# Altium PCB PCB2.PcbDoc (part 2 of 2)
Units mm, origin at the board's own origin, x right, y up, seen from the top; angles counter-clockwise.
Board outline 250.01 x 175.54 mm, 2 copper layers (Top Layer, Bottom Layer), stack 1.639 mm thick; 124 components, 51 nets, 283 pads, 38 vias.
Unrouted connection lines stored in the file: 9.
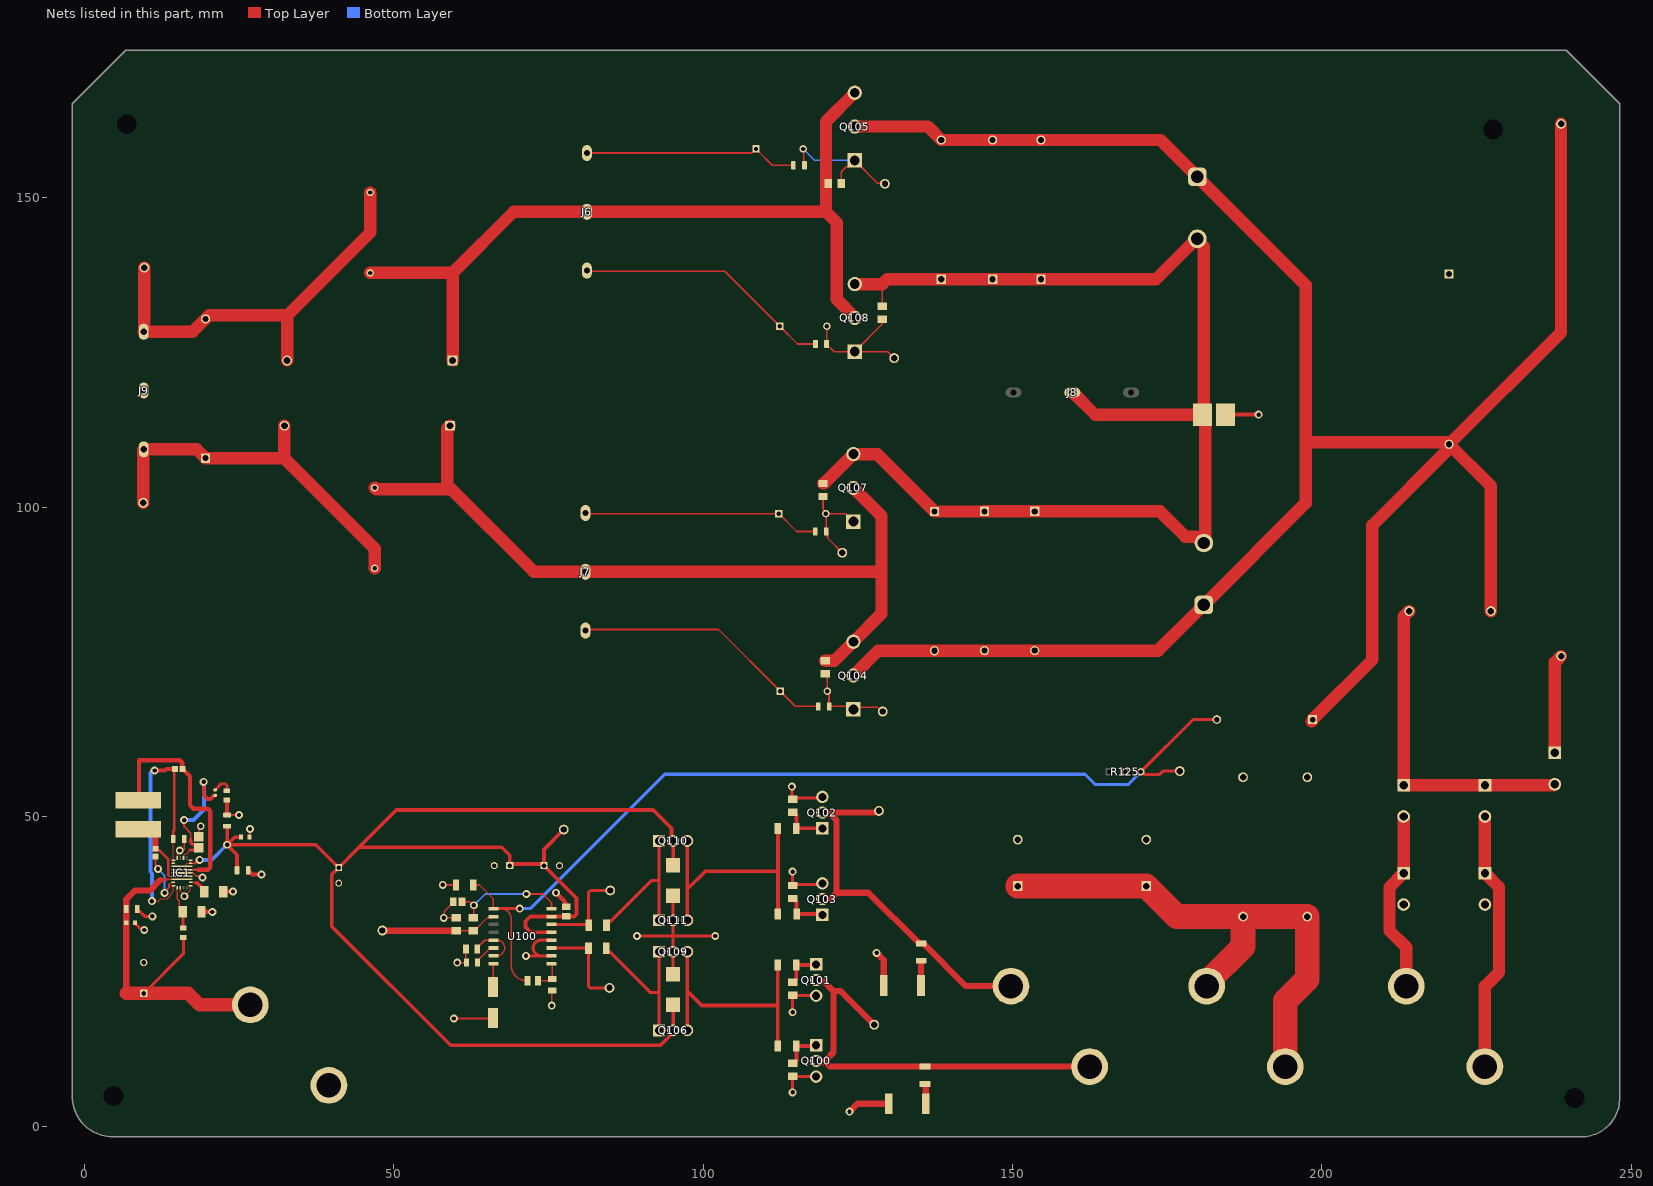
[diagram p2: the nets of this part, all layers, seen from the top]

## Part data (continued)
R100: library part SQP10AJB-1K2, "SQP10AJB-1K2", Manufacturer_Name="Yageo Group", Mouser Part Number=603-SQP10AJB-1K2, Datasheet Link=https://datasheet.datasheetarchive.com/originals/distributors/Datasheets_SAMA/93bf563c2b531d562506a92f6e9f509a.pdf, Height=10mm, Manufacturer_Part_Number=SQP10AJB-1K2, Mouser Price/Stock=https://www.mouser.co.uk/ProductDetail/YAGEO/SQP10AJB-1K2?qs=KUIzHt%2Fe91lQt12IWbZ47A%3D%3D
R101 R121: library part CMP-00030-42521983-1, "AC05000001200JAC00 Resistor, 120 Ohm, ± 5%, 5 W, Axial Leaded, Wirewound, General Purpose", Case/Package=Axial, Max Operating Temperature=275°C, Max Power Dissipation=5W, Min Operating Temperature=0°C, Resistance=120Ω, Temperature Coefficient=-80ppm/°C, Tolerance=5%, Voltage Rating=24V, Composition=Wirewound, Contact Plating=Tin, Diameter=7.5mm, Features="Flame Retardant Coating", Lead Diameter=800µm, Lead Free="Lead Free", Length=18mm, Military Standard=Not, NexarPartId=42521983, Number of Pins=2, Number of Terminations=2, Packaging="Tape & Box (TB)", Power Rating=5W, Radiation Hardening=No, REACH SVHC=Unknown, RoHS=Compliant, Schedule B="8533210080, 8533210080", Termination=Axial, Voltage Rating (DC)=24V, Width=7.49mm
R102 R103 R104 R105: library part CRCW120610R0FKEA, "CRCW120610R0FKEA", Manufacturer_Name=Vishay, Mouser Part Number=71-CRCW1206-10-E3, Arrow Part Number=CRCW120610R0FKEA, Arrow Price/Stock=https://www.arrow.com/en/products/crcw120610r0fkea/vishay?utm_currency=USD&region=nac, Datasheet Link=http://www.vishay.com/docs/20035/dcrcwe3.pdf, Height=0.6mm, Manufacturer_Part_Number=CRCW120610R0FKEA, Mouser Price/Stock=https://www.mouser.co.uk/ProductDetail/Vishay-Dale/CRCW120610R0FKEA?qs=ODaLBy2SlZEomzAFMQRuoA%3D%3D
R106 R107 R110 R111: library part CMP-2001-04908-2, "RES Thick Film, 10kΩ, 1%, 0.125W, 100ppm/°C, 0805, CRCW080510K0FKEA", Case Code (Imperial)=0805, Case Code (Metric)=2012, Max Operating Temperature=155°C, Min Operating Temperature=-55°C, Package Quantity=5000, Power Rating=125mW, Resistance=10kR, Temperature Coefficient=100ppm/°C, Tolerance=1%, Voltage Rating=150V, Case/Package=0805, Composition="Thick Film", Contact Plating=Tin, Depth=1.25mm, Height=0.45mm, Lead Free="Lead Free", Length=2mm, Military Standard=Not, Packaging="Tape and Reel", Radiation Hardening=No, Termination=SMD/SMT, Voltage Rating (DC)=150V, Weight=0.000194oz, Width=1.25mm
R108 R109: library part CRCW251210R0FKEG, "CRCW251210R0FKEG", Manufacturer_Name=Vishay, Mouser Part Number=71-CRCW2512-10-E3, Arrow Part Number=CRCW251210R0FKEG, Arrow Price/Stock=https://www.arrow.com/en/products/crcw251210r0fkeg/vishay?utm_currency=USD&region=nac, Datasheet Link=http://www.vishay.com/docs/20035/dcrcwe3.pdf, Height=0.7mm, Manufacturer_Part_Number=CRCW251210R0FKEG, Mouser Price/Stock=https://www.mouser.co.uk/ProductDetail/Vishay-Dale/CRCW251210R0FKEG?qs=VTHkDwr%2FZpkb635FFTvRPg%3D%3D
R112 R113 R117 R118: library part CMP-009-00102-2, "4.7 Ohm 0.125W 5% 0805 (2012 Metric)  SMD", Case/Package=0805, Power=125mW, Tolerance=5%, Mounting Technology=SMT, Pins=2
R114 R115 R119 R120: library part CMP-009-00018-5, "Chip Resistor, 10 KOhm, +/- 1%, 125 mW, -55 to 155 degC, 0805 (2012 Metric)", Case/Package=0805, Max Operating Temperature=155°C, Min Operating Temperature=-55°C, Power=125mW, Tolerance=1%, Voltage Rating=150V, Mounting Technology=SM, Pins=2, RoHS Compliant=True
R116: library part CRCW120612R0FKEAHP, "CRCW120612R0FKEAHP", Manufacturer_Name=Vishay, Mouser Part Number=71-CRCW120612R0FKEAH, Arrow Part Number=CRCW120612R0FKEAHP, Arrow Price/Stock=https://www.arrow.com/en/products/crcw120612r0fkeahp/vishay?region=nac, Datasheet Link=http://www.vishay.com/docs/20035/dcrcwe3.pdf, Height=0.65mm, Manufacturer_Part_Number=CRCW120612R0FKEAHP, Mouser Price/Stock=https://www.mouser.co.uk/ProductDetail/Vishay-Dale/CRCW120612R0FKEAHP?qs=40TFAHZMFvfoWh3r5QltXA%3D%3D
R122: library part CMP-08839-031888-1, "RES 0.1 OHM 1% 7W 2512", Case Code (Imperial)=2512, Case Code (Metric)=6432, Max Operating Temperature=170°C, Max Power Dissipation=3W, Min Operating Temperature=-55°C, Resistance=100mR, Resistor Type="Metal Element", Temperature Coefficient=20ppm/°C, Tolerance=1%, Case/Package=2512, Features="Automotive AEC-Q200", Number of Terminations=2, Packaging="Cut Tape"
R123: library part CMP-02408-000054-1, "RES 300k OHM 5% 1/2W AXIAL", Case/Package=Conformal, Max Operating Temperature=155°C, Min Operating Temperature=-55°C, Power Rating=500mW, Resistance=1.2MR, Resistance Tolerance=5%, Resistor Type="Metal Film", Temperature Coefficient=200ppm/°C, Voltage Rating=3.5kV, Construction=Cylindrical, Contact Plating=Tin, Diameter=4mm, Length=10mm, Military Standard=Not, Mount="Through Hole", Packaging="Ammo Pack", Radiation Hardening=No, Reach SVHC Compliant=Yes, Termination=Axial, Tolerance=5%, Voltage Rating (DC)=3.5kV
R124: "Resistor", Manufacturer_Name=Vishay, Mouser Part Number=71-CRCW120612R0FKEAH, Arrow Part Number=CRCW120612R0FKEAHP, Arrow Price/Stock=https://www.arrow.com/en/products/crcw120612r0fkeahp/vishay?region=nac, Datasheet Link=http://www.vishay.com/docs/20035/dcrcwe3.pdf, Height=0.65mm, Manufacturer_Part_Number=CRCW120612R0FKEAHP, Mouser Price/Stock=https://www.mouser.co.uk/ProductDetail/Vishay-Dale/CRCW120612R0FKEAHP?qs=40TFAHZMFvfoWh3r5QltXA%3D%3D
R125: library part CMP-1747-00001-8, "TRIMMER 10K OHM 0.5W PC PIN TOP", Color=Blue, Insulation Resistance=1GR, Max Operating Temperature=125°C, Max Power Dissipation=500mW, Min Operating Temperature=-55°C, Package Quantity=50, Resistance=10kR, Resistance Tolerance=10%, Resistor Type=Cermet, Temperature Coefficient=100ppm/°C, Contact Plating=Tin, Depth=4.83mm, Height=11.55mm, Lead Free="Lead Free", Length=9.53mm, Military Standard=Not, Mount="Through Hole", Number of Turns=25, Packaging=Rail/Tube, Power Rating=500mW, Radiation Hardening=No, Reach SVHC Compliant=Yes, RoHS Compliant=Yes, Series=3296, Taper=Linear, Technology=CERMET, Termination=Pin, Tolerance=10%, Weight=0.03oz, Width=9.53mm
R126 R128: library part CMP-2001-04106-2, "RES Thick Film, 75kΩ, 1%, 0.125W, 100ppm/°C, 0805 / CRCW080575K0FKEA / CRCW080575K0FKEA", Case Code (Imperial)=0805, Case Code (Metric)=2012, Max Operating Temperature=155°C, Max Power Dissipation=125mW, Min Operating Temperature=-55°C, Package Quantity=10, Resistance=75kR, Resistance Tolerance=1%, Resistor Type="Thick Film", Temperature Coefficient=100ppm/°C, Voltage Rating=150V, Case/Package=0805, Construction=Rectangular, Contact Plating=Tin, Depth=1.25mm, Features="Automotive AEC-Q200", Height=0.45mm, Lead Free="Lead Free", Length=2mm, Military Standard=Not, Mount="Surface Mount", Number of Pins=2, Number of Terminations=2, Packaging="Tape and Reel", Power Rating=125mW, Radiation Hardening=No, RoHS Compliant=Yes, Series=CRCW, Technology="THICK FILM", Termination=SMD/SMT, Tolerance=1%, Voltage Rating (DC)=150V, Weight=0.000194oz, Width=0.049inch, Working Voltage=150V
R127: library part CMP-2001-03869-2, "RES Thick Film, 3kΩ, 1%, 0.125W, 100ppm/°C, 0805 / CRCW08053K00FKEA", Case Code (Imperial)=0805, Case Code (Metric)=2012, Max Operating Temperature=155°C, Max Power Dissipation=125mW, Min Operating Temperature=-55°C, Package Quantity=10, Resistance=3kR, Temperature Coefficient=100ppm/°C, Tolerance=1%, Voltage Rating=150V, Case/Package=0805, Composition="Thick Film", Contact Plating=Tin, Depth=1.25mm, Features="Automotive AEC-Q200", Height=0.45mm, Lead Free="Lead Free", Length=2mm, Military Standard=Not, Number of Terminations=2, Packaging="Tape and Reel", Power Rating=125mW, Radiation Hardening=No, Termination=SMD/SMT, Voltage Rating (DC)=150V, Weight=0.000194oz, Width=1.25mm, Working Voltage=150V
U100: library part CMP-00278-00724779-1, "SG3525ADWR2G Voltage Mode PWM Controller 400mA 400kHz 16-Pin SOIC W T/R / IC REG CTRLR PUSH-PULL 16SOIC", Ambient Temperature Range High=70°C, Case/Package=SOIC, Frequency=400kHz, Manufacturer Lifecycle Status=ACTIVE, Max Junction Temperature (Tj)=150°C, Max Power Dissipation=1W, Max Supply Current=20mA, Max Supply Voltage=35V, Min Operating Temperature=0°C, Min Supply Voltage=8V, Output Current=100mA, Output Voltage=18V, Duty Cycle=49%, Fall Time=50ns, Halogen Free="Halogen Free", Height=2.4mm, Lead Free="Lead Free", Length=10.45mm, Lifecycle Status=Production, Max Duty Cycle=49%, Max Frequency=400kHz, Max Operating Temperature=70°C, Mount="Surface Mount", NexarPartId=724779, Nominal Input Voltage=8V, Number of Outputs=2, Number of Pins=16, Packaging=Digi-Reel®, Radiation Hardening=No, REACH SVHC="No SVHC", Rise Time=100ns, RoHS=Compliant, Schedule B="8542390000, 8542390000", Switching Frequency=400kHz, Topology=Push-Pull, Width=7.6mm

## Via types
v1: diameter 1.27, hole 0.711, Top Layer to Bottom Layer, 38 vias

## Nets (pads, with @x,y where several pads share a name; then routed paths per layer and width w, separated by ;. In a path a pad name is that pad's centre, name@x,y a point inside that pad or via, vN(x,y) a via of type N, cw(c..) or ccw(c..) an arc to the next point about the centre after c; other vN are vias at no path point)
1HO: D106.1 J6.1 R113.1 | length 35.1
  Top Layer w0.254: J6.1@81.229,157.251 107.893,157.251 D106.1@108.385,157.744 ; R113.1@114.594,155.27 111.195,155.27 D106.1@108.722,157.744 ; D106.1@108.385,157.744 D106.1@108.554,157.912 D106.1@108.722,157.744 ; D106.1@108.385,157.744 D106.1@108.722,157.744
1LO: D108.1 J6.3 R118.1 | length 41.9
  Top Layer w0.254: J6.3@81.229,138.251 81.355,138.125 103.524,138.125 D108.1@112.389,129.261 115.259,126.39 R118.1@118.175,126.39
2HO: D105.1 J7.3 R112.1 | length 42.8
  Top Layer w0.254: J7.3@81.001,80.263 102.487,80.263 ; 102.475,80.275 102.487,80.263 ; R112.1@118.607,67.843 114.907,67.843 D105.1@112.468,70.282 102.487,80.263
2LO: D107.1 J7.1 R117.1 | length 38.3
  Top Layer w0.254: J7.1@81.001,98.984 D107.1@112.214,98.984 115.11,96.088 R117.1@118.124,96.088
+12V_reg: C9.1 C10.2 C11.2 C12.2 C108.1 C109.1 C110.1 C115.1 C126.2 IC1.11 IC1.12 IC1.13 J102.1 Q106.2 Q110.2 U100.13 U100.15 | length 246.1
  Top Layer w0.2: IC1.11@15.805,41.97 16.462,41.97 16.487,41.995 16.487,42.353 16.605,42.47 IC1.12@17.205,42.47 ; IC1.13@17.18,42.97 17.205,42.945 IC1.12@17.205,42.47 ; 17.892,42.47 IC1.12@17.205,42.47
  Top Layer w0.4: 17.892,42.47 v1@18.452,43.03
  Top Layer w0.5: U100.15@75.513,33.877 U100.15@75.535,33.899
  Top Layer w0.6: C11.2@23.105,48.435 v1(23.105,45.48) ; C10.2@24.715,41.355 24.715,43.87 v1(23.105,45.48) ; C12.2@25.33,46.73 25.305,46.705 24.33,46.705 v1(23.105,45.48) ; C108.1@68.773,42.102 69.048,42.377 74.023,42.377 C110.1@74.298,42.102 ; C108.1@68.773,42.377 68.773,43.8 67.488,45.085 44.432,45.085 ; U100.13@75.513,31.337 72.138,31.337 71.298,32.176 71.298,33.102 72.073,33.877 U100.15@75.513,33.877 ; U100.15@75.535,33.899 79.201,33.899 79.553,34.25 79.553,36.847 C110.1@74.298,42.102 ; J102.1@77.495,47.93 74.298,44.732 C110.1@74.298,42.102 ; C109.1@95.17,19.648 Q106.2@95.17,15.494 95.17,15.137 94.394,14.361 94.394,14.305 94.069,13.98 94.013,13.98 93.114,13.081 59.233,13.081 40.023,32.291 40.023,40.676 C9.1@41.127,41.78 ; C115.1@95.17,42.164 Q110.2@95.17,46.101 94.917,46.354 94.917,48.136 91.973,51.079 50.426,51.079 44.432,45.085 ; v1(23.105,45.48) 37.426,45.48 C9.1@41.127,41.78 ; C9.1@41.127,41.78 44.432,45.085
  Bottom Layer w0.6: v1(18.655,43.03) 20.605,43.03 23.055,45.48 v1(23.105,45.48)
+400: C100.2 C105.2 C117.1 C118.1 C119.2 C120.2 C121.2 C122.2 C123.2 L100.2 Q104.2 Q105.2 R100.2 R123.1 | length 369.9
  Top Layer w2: Q104.2@124.29,72.818 128.29,76.818 C123.2@137.39,76.818 145.44,76.818 C120.2@145.465,76.843 C122.2@153.59,76.843 173.533,76.843 180.424,83.734 180.881,83.734 C117.1@181.153,84.006 ; Q105.2@124.519,161.525 136.327,161.525 C105.2@138.494,159.358 C119.2@146.794,159.358 C121.2@154.594,159.358 173.915,159.358 C118.1@179.883,153.391 197.358,135.915 197.358,110.537 ; C117.1@180.924,84.234 197.358,100.668 197.358,110.537 ; R123.1@198.374,65.456 R123.1@198.556,65.638 ; R123.1@198.484,65.71 208.153,75.379 208.153,97.104 220.548,109.499 C100.2@220.548,110.185 ; C100.2@220.9,110.537 197.358,110.537 ; L100.2@227.305,83.236 227.305,103.429 C100.2@220.548,110.185 ; R100.2@238.633,161.95 238.633,128.27 C100.2@220.548,110.185
Center_tap: C101.1 C102.1 C103.2 C104.2 J4.1 J4.2 | length 88.2
  Top Layer w4: C101.1@150.851,38.811 C102.1@171.628,38.811 176.555,33.884 C103.2@187.249,33.884 ; J4.1@181.381,22.631 181.381,23.156 187.249,29.024 C103.2@187.249,33.884 ; J4.2@194.081,9.631 194.081,20.242 197.637,23.798 C104.2@197.637,33.884 C103.2@187.249,33.884
Comp: C113.2 C114.1 U100.9 | length 5
  Top Layer w0.254: C113.2@73.328,23.501 75.373,23.501 C114.1@75.648,23.777 75.648,26.122 U100.9@75.513,26.257
CT: C111.1 U100.5 U100.7 | length 8.4
  Top Layer w0.254: C111.1@63.523,28.627 63.523,28.852 64.738,30.067 U100.5@66.133,30.067 66.733,30.067 cw(c66.733,28.851) 67.948,28.851 cw(c66.623,28.851) 66.623,27.527 U100.7@66.133,27.527
GATEA: Q106.3 Q109.3 R102.1 R103.1 | length 41.4
  Top Layer w0.5: R102.1@112.065,26.035 R102.1@112.077,26.023 ; R103.1@112.077,12.966 R103.1@112.089,12.954
  Top Layer w0.6: Q106.3@97.46,15.494 97.46,21.844 ; Q109.3@97.46,28.194 97.46,21.844 ; R103.1@112.077,12.966 112.077,19.494 ; R102.1@112.077,26.023 112.077,19.494 ; 97.46,21.844 99.809,19.494 112.077,19.494
GATEB: Q110.3 Q111.3 R104.1 R105.1 | length 42.5
  Top Layer w0.5: R104.1@112.089,48.133 R104.1@112.101,48.121 ; R105.1@112.101,34.302 R105.1@112.113,34.29
  Top Layer w0.6: Q111.3@97.46,33.274 97.46,38.291 ; Q110.3@97.46,46.101 97.46,38.291 ; R105.1@112.101,34.302 112.101,41.212 ; R104.1@112.101,48.121 112.101,41.212 ; 97.46,38.291 100.381,41.212 112.101,41.212
GND: C3.1 C5.1 C6.2 C7.1 C8.1 C9.2 C10.1 C11.1 C12.1 C100.1 C101.2 C102.2 C103.1 C104.1 C108.2 C109.2 C110.2 C111.2 C112.2 C114.2 C115.2 C116.1 C125.2 C126.1 D103.3 D104.3 IC1.2 IC1.5 IC1.9 IC1.17 IC1.22 IC1.23 J2.2 J9.2 Q100.3 Q101.3 Q102.3 Q103.3 Q109.2 Q111.2 R1.2 R3.1 R4.1 R106.1 R107.1 R108.1 R109.1 R110.1 R111.1 R122.1 R125.2 R126.1 R127.1 U100.10 U100.12 | length 138.8
  Top Layer w0.15: IC1.23@14.367,40.93 IC1.22@15.805,40.93 ; IC1.17@15.055,43.33 15.055,43.86 15.443,44.249 v1(15.443,44.552) ; IC1.2@15.555,38.53 15.555,38.024 16.205,37.374 v1(16.205,37.16) 17.18,38.135 IC1.5@17.18,38.89
  Top Layer w0.254: v1(15.443,44.552) 15.592,44.7 16.205,44.7 C5.1@16.205,45.88 ; IC1.22@15.805,40.93 IC1.9@17.243,40.93 17.245,40.928 17.557,40.928 17.589,40.896 17.662,40.896 18.182,40.377 18.932,40.377 v1(19.126,40.183) ; C3.1@18.505,46.78 18.505,47.842 18.85,48.187 v1(18.85,48.46) ; R1.2@18.955,34.63 18.968,34.617 v1(20.729,34.617) ; R3.1@23.055,52.705 23.08,52.68 23.105,52.655 C11.1@23.105,50.28 23.109,50.285 23.379,50.285 25.017,50.285 v1(25.022,50.289) ; C10.1@26.505,41.355 26.538,41.322 C10.1@26.538,41.055 ; C12.1@26.73,46.73 26.765,46.765 26.765,47.994 v1(26.8,48.029) ; v1@57.973,38.977 C116.1@60.073,38.977 ; v1(58.098,33.651) v1@58.1,33.653 ; C125.2@59.648,36.152 58.164,34.667 58.164,33.717 v1@58.1,33.653 ; v1(59.741,17.399) 65.995,17.399 C112.2@66.073,17.477 ; R126.1@60.148,33.653 v1@58.1,33.653 ; v1(60.298,26.427) R127.1@61.821,26.427 61.673,26.575 C111.2@61.673,28.627 ; v1(75.548,19.477) 75.548,21.827 C114.2@75.648,21.927
  Top Layer w0.5: C8.1@8.206,32.868 8.206,32.818 9.325,31.699 v1(9.703,31.699) ; C7.1@8.596,35.103 8.596,34.833 8.726,34.703 8.996,34.703 9.79,33.909 v1(11.024,33.909) ; v1(71.398,27.527) 73.848,27.527 ; U100.10@75.513,27.527 73.848,27.527 ; U100.12@75.513,30.067 73.788,30.067 ccw(c73.788,28.827) 72.548,28.827 ccw(c73.848,28.827) 73.848,27.527 ; v1(89.332,30.734) 95.17,30.734 ; C109.2@95.17,24.548 Q109.2@95.17,28.194 95.17,30.734 ; C115.2@95.17,37.264 Q111.2@95.17,33.274 95.17,30.734 ; v1(101.981,30.734) 95.17,30.734 ; v1(114.351,54.864) 114.351,52.994 R110.1@114.478,52.867 114.651,53.04 119.106,53.04 Q102.3@119.279,53.213 ; R111.1@114.414,38.96 R111.1@114.478,39.024 ; v1(114.478,5.461) R107.1@114.478,8.058 114.506,8.03 118.259,8.03 Q100.3@118.288,8.001 ; v1(114.478,18.415) R106.1@114.478,21.174 114.524,21.128 118.242,21.128 Q101.3@118.288,21.082 ; R111.1@114.478,38.897 R111.1@114.478,39.024 ; v1(114.478,41.148) R111.1@114.478,39.024 ; Q103.3@119.279,39.243 119.106,39.07 114.524,39.07 R111.1@114.478,39.024
  Top Layer w0.7: R1.2@18.955,34.63 v1@20.729,34.63 ; R4.1@22.48,37.905 22.488,37.914 24.045,37.914 v1(24.054,37.922) ; R3.1@23.08,52.68 23.08,50.305 C11.1@23.105,50.28 23.375,50.28 C11.1@23.379,50.285 ; C10.1@26.505,41.355 26.505,41.085 26.535,41.055 26.538,41.055 26.805,41.055 27.195,40.665 v1(28.651,40.665) ; v1(76.251,37.719) 77.444,36.525 cw(c76.34,35.421) C126.1@77.902,35.421 ; R122.1@184.429,114.96 184.455,114.986 v1(189.763,114.986)
  Top Layer w1: v1(123.673,2.362) 124.943,3.632 R108.1@129.992,3.632 ; v1(128.041,28.016) 129.204,26.853 R109.1@129.204,22.733
  other v1: 57.948,39.001
IFBOUT: C105.1 C117.2 C118.2 C119.1 C120.1 C121.1 C122.1 C123.1 J8.2 Q107.3 Q108.3 R119.1 R120.1 R122.2 | length 202.5
  Top Layer w0.254: R120.1@128.956,132.495 128.956,136.068
  Top Layer w2: R119.1@119.38,103.852 119.539,103.852 Q107.3@124.29,108.603 124.347,108.546 128.162,108.546 C123.1@137.39,99.318 145.44,99.318 C120.1@145.465,99.343 C122.1@153.59,99.343 173.84,99.343 177.933,95.25 179.638,95.25 C117.2@180.912,93.975 ; Q108.3@124.519,136.068 128.956,136.068 129.746,136.858 C105.1@138.494,136.858 C119.1@146.794,136.858 C121.1@154.594,136.858 173.194,136.858 C118.2@179.644,143.308 ; J8.2@159.964,118.367 163.371,114.96 R122.2@180.729,114.96 ; C118.2@179.883,143.391 179.883,143.12 180.928,142.074 R122.2@180.928,115.159 ; C117.2@180.924,94.234 181.116,94.425 181.116,95.132 181.127,95.144 R122.2@181.127,114.562
Inv: C113.1 C116.2 J106.1 R123.2 R125.3 U100.1 | length 157.5
  Top Layer w0.254: C116.2@62.873,38.977 63.873,38.977 66.133,36.717 U100.1@66.133,35.147 ; 67.353,35.147 cw(c67.353,33.502) 68.998,33.502 68.998,26.041 ccw(c71.538,26.041) 71.538,23.501 C113.1@71.668,23.501
  Top Layer w0.5: U100.1@66.133,35.147 66.136,35.15 70.38,35.15 v1(70.383,35.154) ; J106.1@177.038,57.379 174.297,57.379 173.771,56.853 171.327,56.853 170.928,57.252 R125.3@170.739,57.252 179.197,65.71 R123.2@183.024,65.71
  Bottom Layer w0.5: v1(70.383,35.154) 72.075,35.154 93.792,56.871 161.722,56.871 163.373,55.22 168.707,55.22 R125.3@170.739,57.252
Live: C124.2 J9.1 J109.1 L101.2 R101.2 | length 67.3
  Top Layer w2: J9.1@9.627,128.372 9.728,128.473 J109.1@9.728,138.735 ; J9.1@9.827,128.372 17.531,128.372 20.196,131.038 32.843,131.038 46.228,144.422 L101.2@46.228,150.874 ; R101.2@32.791,123.719 32.791,131.089
NetC1_1: C1.1 R3.2 | length 3.3
  Top Layer w0.45: C1.1@21.155,54.355 21.18,54.355 22.155,55.33 22.816,55.33 23.08,55.067 23.08,54.23 R3.2@23.055,54.205
NetC1_2: C1.2 C3.2 IC1.15 | length 22
  Top Layer w0.2: IC1.15@16.055,43.33 16.076,43.351 16.076,43.777 16.283,43.984 16.459,43.984 17.13,44.655
  Top Layer w0.3: v1(16.154,49.454) 16.154,48.438 17.226,47.367 17.226,46.28
  Top Layer w0.5: 17.13,44.655 18.18,44.655 C3.2@18.505,44.98 18.005,45.48 17.567,45.48 17.226,45.822 17.226,46.28
  Top Layer w0.6: v1(19.313,55.631) 19.313,53.497 19.931,52.879 20.428,52.879 21.005,53.455 C1.2@21.155,53.455
  Bottom Layer w0.6: v1(16.154,49.454) 16.163,49.463 17.689,49.463 19.38,51.153 19.38,55.565 v1(19.313,55.631)
NetC2_1: C2.1 C5.2 IC1.18 IC1.19 IC1.21 | length 45.6
  Top Layer w0.2: v1(10.955,36.38) 11.022,36.313 11.962,36.313 12.366,36.716 13.414,36.716 13.994,37.296 13.994,37.499 14.43,37.935 IC1.21@14.43,38.89 ; C5.2@14.401,46.431 14.401,42.995 14.426,42.97 IC1.18@14.43,42.97 14.405,42.945 IC1.19@14.405,42.47
  Top Layer w0.4: C5.2@14.401,46.431 14.415,46.445 14.415,47.728 14.535,47.848 14.535,57.61 C2.1@14.655,57.73
  Top Layer w0.6: v1(11.38,57.48) 13.047,57.48 13.28,57.713 14.637,57.713 C2.1@14.655,57.73
  Bottom Layer w0.6: v1(10.955,36.38) 10.955,40.874 10.73,41.099 10.73,57.104 11.081,57.455 11.355,57.455 v1(11.38,57.48)
NetC2_2: C2.2 IC1.10 L1.2 | length 38.6
  Top Layer w0.2: IC1.10@15.805,41.47 15.82,41.455 17.805,41.455 17.827,41.477 17.83,41.477
  Top Layer w0.4: 17.83,41.477 17.903,41.477 17.95,41.43 18.48,41.43
  Top Layer w0.7: L1.2@8.738,52.642 8.865,52.769 8.865,59.13 15.45,59.13 15.86,58.72 15.86,57.775 C2.2@15.905,57.73 17.105,56.53 17.105,51.88 17.68,51.305 19.97,51.305 20.38,50.895 20.38,41.84 19.97,41.43 18.48,41.43
NetC4_1: C4.1 IC1.20 | length 9
  Top Layer w0.2: 13.701,39.105 13.701,39.112 13.958,39.369 14.384,39.369 IC1.20@14.405,39.39
  Top Layer w0.3: C4.1@11.555,43.58 11.555,42.218 11.93,41.843 v1(11.93,41.58) ; v1(13.005,37.705) 13.005,37.848 13.701,38.544 13.701,39.105
  Bottom Layer w0.3: v1(11.93,41.58) 13.005,40.505 v1(13.005,37.705)
NetC4_2: C4.2 IC1.8 L1.1 | length 13.1
  Top Layer w0.2: 13.555,40.509 13.655,40.409 15.786,40.409 IC1.8@15.805,40.39
  Top Layer w0.4: C4.2@11.555,44.83 11.83,44.555 12.172,44.555 13.555,43.172 13.555,40.509
  Top Layer w1: L1.1@8.738,47.992 10.73,47.992 11.555,47.167 C4.2@11.555,44.83
NetC106_2: C106.2 R108.2 | length 3.3
  Top Layer w1: C106.2@135.865,6.831 135.967,6.831 135.992,6.806 R108.2@135.992,3.632
NetC107_2: C107.2 R109.2 | length 4
  Top Layer w0.5: C107.2@135.204,26.718 C107.2@135.23,26.743
  Top Layer w1: R109.2@135.204,22.733 C107.2@135.204,26.718
NetD100_1: D100.1 D101.1 D102.3 L100.1 | length 53
  Top Layer w2: L100.1@214.097,83.236 213.203,82.342 D101.1@213.203,55.118 D100.1@226.339,55.118 237.489,55.118 237.616,55.245 D102.3@237.629,55.245
NetD102_1: D102.1 R100.1 | length 16
  Top Layer w2: D102.1@237.629,60.325 237.629,74.947 R100.1@238.633,75.95
NetD105_2: D105.2 J107.1 Q104.1 R112.2 R114.2 | length 14.4
  Top Layer w0.254: R114.2@119.736,73.093 120.094,72.734 120.094,70.026 120.35,69.77 120.35,67.89 R112.2@120.397,67.843 123.805,67.843 Q104.1@124.29,67.358 ; Q104.1@124.333,67.358 124.64,67.666 128.233,67.666 128.69,67.208 J107.1@128.829,67.208
NetD106_2: D106.2 J108.1 Q105.1 R113.2 R115.2 | length 23.2
  Top Layer w0.254: D106.2@116.18,157.912 116.282,157.81 116.282,155.372 R113.2@116.384,155.27 ; R115.2@122.326,152.282 122.326,154.218 123.151,155.042 123.496,155.042 Q105.1@124.519,156.065 128.207,152.377 129.284,152.377 J108.1@129.388,152.273
  Bottom Layer w0.254: D106.2@116.18,157.912 118.077,156.014 ; 118.077,156.065 Q105.1@124.519,156.065
NetD107_2: D107.2 J110.1 Q107.1 R117.2 R119.2 | length 15.4
  Top Layer w0.254: R119.2@119.38,101.752 119.38,99.7 119.84,99.24 D107.2@119.84,98.984 ; J110.1@122.504,92.659 120.106,95.057 120.106,95.896 R117.2@119.914,96.088 119.877,96.125 119.877,98.947 D107.2@119.84,98.984 ; Q107.1@124.29,97.683 122.989,98.984 D107.2@119.84,98.984
NetD108_2: D108.2 J111.1 Q108.1 R118.2 R120.2 | length 21.8
  Top Layer w0.254: D108.2@120.015,129.261 119.99,129.236 119.99,126.415 R118.2@119.965,126.39 121.208,125.148 Q108.1@124.519,125.148 ; R120.2@128.956,130.395 128.934,130.373 128.934,129.563 Q108.1@124.519,125.148 ; J111.1@130.886,124.104 129.843,125.148 Q108.1@124.519,125.148
NetIC1_1: IC1.1 R1.1 R2.2 | length 6.9
  Top Layer w0.1: 15.055,37.705 IC1.1@15.055,38.53
  Top Layer w0.25: 15.055,37.705 15.055,36.718 15.355,36.418 15.355,35.18 R1.1@15.905,34.63
  Top Layer w0.5: R1.1@15.966,34.569 15.966,32.053 R2.2@16.027,31.992
NetIC1_6: IC1.6 R4.2 | length 3
  Top Layer w0.2: IC1.6@17.205,39.39 18.045,39.39 18.08,39.355
  Top Layer w0.6: 18.08,39.355 18.23,39.355 19.43,38.155 R4.2@19.43,37.905
NetQ100_1: Q100.1 R103.2 R107.2 | length 6.4
  Top Layer w0.6: R107.2@114.478,10.16 114.629,10.16 115.089,10.62 R103.2@115.089,12.954 118.161,12.954 Q100.1@118.288,13.081
NetQ101_1: Q101.1 R102.2 R106.2 | length 6.4
  Top Layer w0.6: R106.2@114.478,23.276 114.629,23.276 115.065,23.712 R102.2@115.065,26.035 118.161,26.035 Q101.1@118.288,26.162
NetQ102_1: Q102.1 R104.2 R110.2 | length 7.2
  Top Layer w0.6: R110.2@114.478,50.765 114.629,50.765 115.089,50.305 R104.2@115.089,48.133 Q102.1@119.279,48.133
NetQ103_1: Q103.1 R105.2 R111.2 | length 7.1
  Top Layer w0.6: R111.2@114.478,36.795 114.629,36.795 114.932,36.492 114.932,36.321 115.113,36.14 R105.2@115.113,34.29 119.152,34.29 Q103.1@119.279,34.163
NetQ106_1: Q106.1 Q109.1 R116.2 | length 24.4
  Top Layer w0.5: R116.2@84.376,28.765 84.376,28.415 84.676,28.115 85.026,28.115 91.551,21.59 92.88,21.59 ; Q106.1@92.88,15.494 92.88,21.59 ; Q109.1@92.88,28.194 92.88,21.59
NetQ110_1: Q110.1 Q111.1 R124.2 | length 24.5
  Top Layer w0.5: R124.2@84.426,32.465 84.426,32.815 84.726,33.115 85.076,33.115 91.648,39.688 92.88,39.688 ; Q111.1@92.88,33.274 92.88,39.688 ; Q110.1@92.88,46.101 92.88,39.688
Non_inv: J105.1 R126.2 R128.2 U100.2 | length 18.9
  Top Layer w0.254: R126.2@60.148,31.552 R128.2@62.873,31.552 63.024,31.552 65.186,33.714 65.97,33.714 U100.2@66.133,33.877
  Top Layer w1: J105.1@48.184,31.623 48.22,31.587 60.112,31.587 R126.2@60.148,31.552
Nuetral: C124.1 J9.3 J112.1 L102.2 R121.2 | length 60.6
  Top Layer w2: J112.1@9.55,100.736 9.55,109.295 J9.3@9.627,109.372 ; J9.3@9.827,109.371 18.187,109.371 19.66,107.899 32.106,107.899 ; R121.2@32.36,113.182 32.36,107.899 46.939,93.32 L102.2@46.939,90.147
PWMA: J103.1 R116.1 U100.11 | length 15.6
  Top Layer w0.5: U100.11@75.513,28.797 81.444,28.797 R116.1@81.476,28.765 81.476,22.645 81.769,22.352 J103.1@84.887,22.352
PWMB: J104.1 R124.1 U100.14 | length 15
  Top Layer w0.5: U100.14@75.513,32.607 81.384,32.607 R124.1@81.526,32.465 81.526,37.807 81.819,38.1 J104.1@85.014,38.1
RT: R127.2 U100.6 | length 3.8
  Top Layer w0.254: R127.2@63.523,26.427 63.799,26.703 63.799,26.983 65.613,28.797 U100.6@66.133,28.797
SS: C112.1 U100.8 | length 3.8
  Top Layer w0.254: C112.1@66.073,22.477 66.073,26.197 cw(c66.133,26.197) U100.8@66.133,26.257
Tr_pri_H: C106.1 J1.2 J100.1 Q100.2 Q101.2 | length 68.7
  Top Layer w0.6: Q101.2@118.288,23.622 Q101.2@118.523,23.387
  Top Layer w1: Q100.2@118.288,10.541 118.479,10.35 119.842,10.35 120.56,9.631 C106.1@135.865,9.631 J1.2@162.458,9.631 ; Q101.2@118.523,23.387 119.539,23.387 121.082,21.844 ; 119.73,10.586 121.082,11.938 121.082,21.844 ; J100.1@127.66,16.408 122.225,21.844 121.082,21.844
Tr_pri_L: C107.1 J1.1 J101.1 Q102.2 Q103.2 | length 60.6
  Top Layer w0.6: Q103.2@119.279,36.703 Q103.2@119.375,36.799
  Top Layer w1: Q102.2@119.279,50.673 127.981,50.673 128.26,50.952 J101.1@128.422,50.952 ; Q103.2@119.375,36.799 120.67,36.799 121.59,37.719 ; Q102.2@119.502,50.45 120.543,50.45 121.59,49.403 121.59,37.719 ; J1.1@149.758,22.631 142.466,22.631 135.555,29.543 C107.1@135.23,29.543 134.905,29.543 126.729,37.719 121.59,37.719
Tr_sec_H: D100.3 D104.1 J3.2 | length 42.3
  Top Layer w2: J3.2@226.339,9.631 226.339,22.588 228.618,24.867 228.618,38.615 D104.1@226.339,40.894 D100.3@226.339,50.038
Tr_sec_L: D101.3 D103.1 J3.1 | length 29.5
  Top Layer w2: D101.3@213.203,50.038 D103.1@213.203,40.894 210.924,38.615 210.924,31.586 213.639,28.87 J3.1@213.639,22.631
VBB: C6.1 C7.2 C8.2 IC1.7 J2.1 R2.1 | length 58.1
  Top Layer w0.1: 13.83,39.905 15.79,39.905 IC1.7@15.805,39.89
  Top Layer w0.3: 13.205,39.805 13.305,39.905 13.83,39.905
  Top Layer w0.5: C6.1@9.631,21.457 16.027,27.854 R2.1@16.027,30.492
  Top Layer w0.6: 12.33,39.805 13.205,39.805
  Top Layer w1: 6.806,21.457 C8.2@6.806,32.868 C7.2@6.806,35.103 6.806,36.682 8.205,38.08 10.605,38.08 12.33,39.805
  Top Layer w2.2: 6.806,21.457 C6.1@9.631,21.457 16.809,21.457 18.657,19.609 J2.1@26.848,19.609
Vref: C125.1 R128.1 U100.16 | length 19.1
  Top Layer w0.254: C125.1@61.048,36.277 62.321,36.277 62.896,35.702 v1(62.973,35.702) 62.973,33.753 R128.1@62.873,33.653 ; v1(71.448,37.527) 74.098,37.527 75.513,36.112 U100.16@75.513,35.147
  Bottom Layer w0.254: v1(62.973,35.702) 64.798,37.527 v1(71.448,37.527)
VS1: J6.2 L101.1 Q105.3 Q108.2 R101.1 R115.1 | length 132.1
  Top Layer w2: L101.1@46.228,137.874 59.538,137.874 ; R101.1@59.538,123.719 59.538,137.874 ; Q108.2@124.519,130.608 124.519,130.689 121.633,133.575 121.633,145.988 119.869,147.752 ; Q105.3@124.519,166.985 119.869,162.335 119.869,152.324 119.869,147.752 ; 59.538,137.874 69.416,147.752 J6.2@81.229,147.751 119.869,147.751
VS2: J7.2 L102.1 Q104.3 Q107.2 R114.1 R121.1 | length 132.2
  Top Layer w2: L102.1@46.939,103.147 47.191,102.895 59.357,102.895 72.667,89.585 128.83,89.585 ; 58.672,103.147 58.672,112.748 R121.1@59.106,113.182 ; R114.1@119.736,75.193 121.204,75.193 Q104.3@124.29,78.278 128.83,82.818 128.83,89.585 ; Q107.2@124.29,103.143 128.83,98.603 128.83,89.585
pads on no net: 1. 2. 3. 4. IC1.3 IC1.4 IC1.14 IC1.16 J8.1 J8.3 R125.1 U100.3 U100.4

## Polygon pours and split planes (outlines as drawn)
GND on Bottom Layer "GND_L02_P000" (solid, pour order 0): 242.837,164.401 235.851,171.475 15.113,171.475 1.499,157.861 1.499,0.584 98.73,0.584 113.97,0.584 242.951,0.584 242.951,164.287

## Other copper
Bottom Layer:
  pour cut-out: 223.368,166.091 222.987,165.71 222.987,156.058 231.14,156.058 232.029,155.169 232.486,155.626 232.486,166.395 232.41,166.472
  pour cut-out: 3.607,165.125 2.896,164.414 2.896,155.778 11.938,155.778 12.802,156.642 12.802,165.329 3.683,165.329 3.607,165.252

## Silkscreen, mask and mechanical layers (free items; w line width, h text height)
Top Overlay:
  drawing of 71 lines, arcs and shapes, not listed
  text "Heatsink" at 97.688,142.926 h2.5
  text "Live" at 5.08,140.614 h1.52 r270
  text "H-Bridge" at 98.552,115.545 h2.5
  text "Nuetral" at 3.607,102.692 h1.52 r270
  text "230V 50Hz" at 13.564,92.329 h2.5
  text "Tr_pri_L" at 145.183,1.117 h1
  text "Tr_pri_H" at 158.848,1.092 h1
  text "Tr_sec_H" at 222.958,1.078 h1
  text "VBB" at 178.584,1.038 h1
  text "Tr_sec_L" at 209.166,0.976 h1
  text "Center Tap" at 189.354,0.914 h1
Mechanical 1:
  lines w0.254: -2.032,164.935 -2.032,4.775 ccw(c4.572,4.775) 4.572,-1.829 242.214,-1.829 ccw(c241.948,4.458) 248.234,4.724 ; -2.019,164.935 6.96,173.914 72.396,173.914 ; 72.498,173.863 170.961,173.863 239.446,173.863 248.234,165.075 248.234,4.089 ; 73.743,191.668 73.895,191.516 ; 172.358,191.516 172.51,191.668 ; 221.971,156.032 230.759,147.244

## Text inside footprints (layer, text, board x,y; h text height)
C117: Top Overlay "+" at 179.424,73.384 h3 r270
C118: Top Overlay "+" at 181.383,164.241 h3 r90